# Altium PCB DIOT_8ch_isoSPI.PcbDoc (part 2 of 5) (continued)
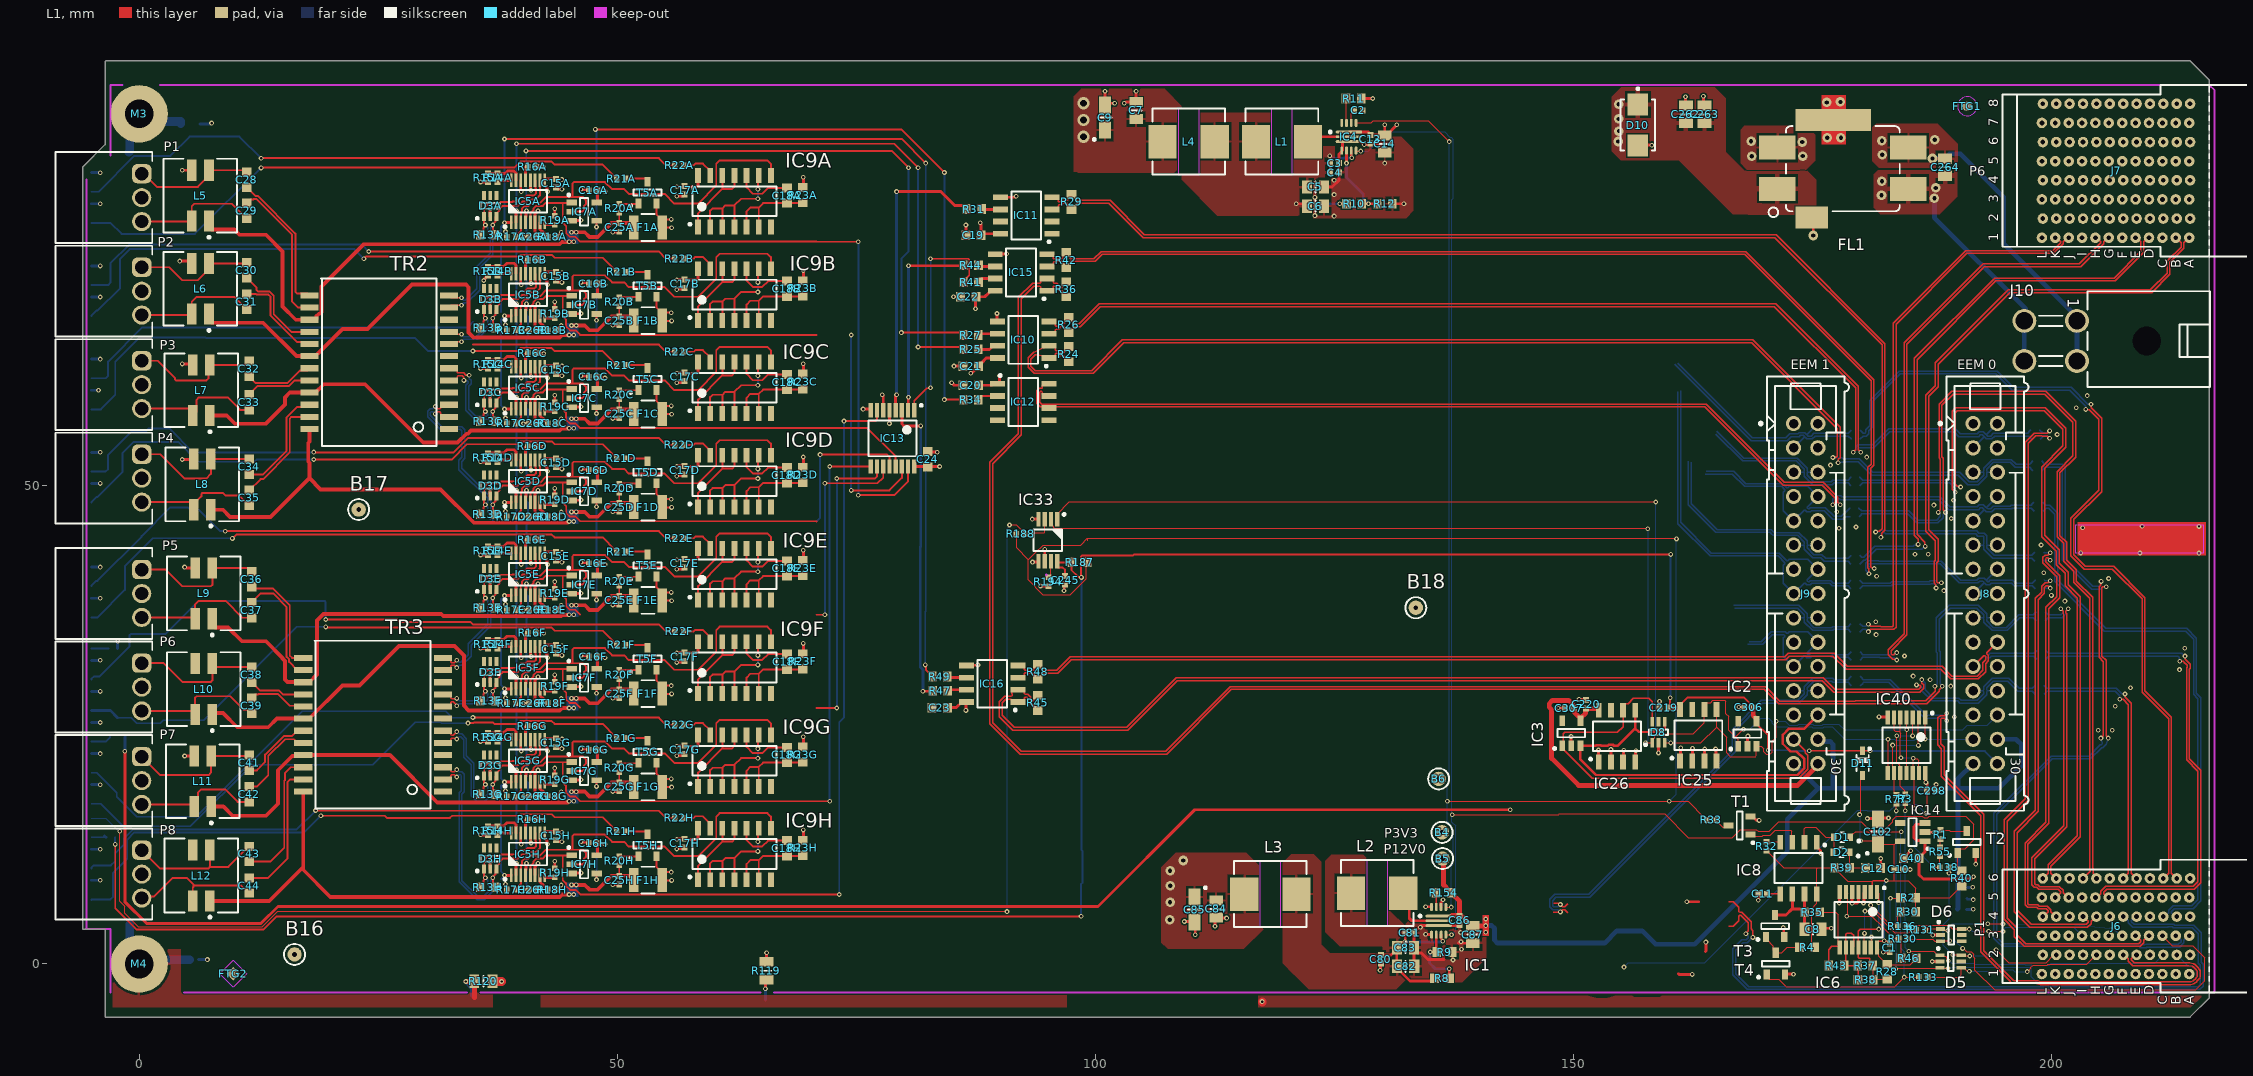
[diagram p0: L1 view]
## Via types (continued)

## Nets (pads, with @x,y where several pads share a name; then routed paths per layer and width w, separated by ;. In a path a pad name is that pad's centre, name@x,y a point inside that pad or via, vN(x,y) a via of type N, cw(c..) or ccw(c..) an arc to the next point about the centre after c; other vN are vias at no path point)
3V3: C80.2 C81.2 C82.2 C83.2 IC1.6 L2.2 L3.1 R8.2 | length 16
  L1 w0.3: C80.2@129.845,0.933 130.916,0.933 C83.2@131.51,1.527 ; C81.2@132.417,3.277 132.388,3.248 132.388,2.34 v1(132.359,2.311) 132.321,2.273 132.082,2.273 132.06,2.252 131.885,2.252 131.51,1.877 C83.2@131.51,1.702 ; R8.2@135.45,-1.5 135.172,-1.778 132.885,-1.778 131.536,-0.429 C82.2@131.536,-0.254 131.51,-0.229 C83.2@131.51,1.527 ; IC1.6@136.14,3.063 136.14,2.672 136.37,2.441 v1(136.306,2.377) ; C83.2@131.51,1.527 C83.2@131.51,1.702 ; C83.2@131.51,1.527 C83.2@131.51,1.702 ; C83.2@131.51,1.527 C83.2@131.51,1.702
  L4 w0.3: v1(132.359,2.311) 132.37,2.301 136.306,2.301 v1(136.306,2.377)
5V0: C3.2 C4.2 C5.2 C6.2 IC4.6 L1.2 L4.1 R10.2 | length 11.4
  L1 w0.3: v1(121,79.5) 121.85,79.5 C6.2@122.1,79.25 ; v1(124.5,84.5) 124.525,84.475 124.525,83.775 C3.2@124.55,83.75 C4.2@124.55,82.75 ; v1(125.55,79.5) R10.2@126.25,79.5 ; IC4.6@126.75,85.05 126.75,84.4 126.798,84.352 v1(126.798,84.298)
  L4 w0.3: v1(121,79.5) v1(125.55,79.5) ; v1(124.5,84.5) 124.554,84.5 124.804,84.25 125.948,84.25 125.996,84.298 v1(126.798,84.298)
BGA0: D6.3 J6.C3 R130.2 | length 42.5
  L1 w0.125: R130.2@184.912,2.642 184.971,2.583 187.561,2.583 187.772,2.373 D6.3@188.384,2.373 188.45,2.438 v1(189.332,2.438) ; v1(190.678,1.626) 190.755,1.626 191.11,1.27 191.225,1.27 191.232,1.278 191.596,1.278 191.854,1.02 191.854,0.703 191.973,0.584 191.973,-0.635 194.024,-2.685 208.768,-2.685 208.793,-2.71 215.044,-2.71 216.007,-1.748 216.007,0.655 214.757,1.905 212.614,1.905 J6.C3@211.569,2.95
  L4 w0.125: v1(189.332,2.438) 189.337,2.433 189.871,2.433 v1(190.678,1.626)
BGA1: D6.1 J6.F3 R131.2 | length 21.4
  L1 w0.125: R131.2@186.779,3.556 186.896,3.673 D6.1@188.384,3.673 188.521,3.535 189.101,3.535 v1(189.135,3.501) ; v1(193.318,4.2) 193.336,4.183 194.887,4.183 v1(194.905,4.166)
  L4 w0.125: v1(189.135,3.501) 189.135,3.602 189.372,3.839 189.372,3.971 189.592,4.191 193.309,4.191 v1(193.318,4.2) ; v1(194.905,4.166) 202.386,4.089 202.391,4.089 206.041,3.759 cw(c205.969,2.95) 206.441,3.612 J6.F3@207.369,2.95
BGA2: D6.6 J6.I3 R136.2 | length 19.4
  L1 w0.125: R136.2@184.849,3.937 185.352,3.937 185.477,4.062 189.196,4.062 189.585,3.673 D6.6@190.584,3.673 190.607,3.65 v1(191.364,3.65) ; v1(193.396,3.429) 193.408,3.416 194.879,3.416 v1(194.905,3.391)
  L4 w0.125: v1@191.435,3.722 v1(191.364,3.65) 191.451,3.65 191.672,3.429 v1(193.396,3.429) ; v1(194.905,3.391) 195.128,3.764 195.201,3.837 202.282,3.837 J6.I3@203.169,2.95
BGA3: J6.L3
BP_I2C.SCL: D5.3 J6.B2 R77.1 | length 53.7
  L1 w0.125: v1(183.69,-0.519) 183.752,-0.457 188.272,-0.457 D5.3@188.333,-0.396 188.376,-0.439 v1(189.15,-0.439) ; v1(183.744,16.002) R77.1@183.744,16.777
  L4 w0.125: v1(183.69,-0.519) 183.718,-0.491 183.718,15.977 v1(183.744,16.002) ; v1(189.15,-0.439) 189.171,-0.418 189.588,-0.418 189.65,-0.356 191.174,-0.356 191.207,-0.322 191.571,-0.322 191.604,-0.356 197.739,-0.356 197.866,-0.483 197.866,-1.355 198.374,-1.863 214.706,-1.863 215.182,-1.387 215.182,-0.713 214.706,-0.238 214.69,-0.238 214.655,-0.203 214.222,-0.203 J6.B2@213.069,0.95
BP_I2C.SDA: D5.1 J6.C2 R3.1 | length 43.4
  L1 w0.125: v1(184.683,16.027) R3.1@184.683,16.802 ; v1(185.039,1.321) 187.641,1.321 188.058,0.904 D5.1@188.333,0.904 188.42,0.817 188.921,0.817 189.009,0.729 189.009,0.613 189.185,0.437 v1(189.185,0.335)
  L4 w0.125: v1(184.683,16.027) 184.696,16.015 184.696,1.685 185.039,1.342 v1(185.039,1.321) ; v1(189.185,0.335) 189.286,0.335 189.545,0.076 189.662,0.076 191.82,0.076 191.945,-0.049 197.173,-0.049 197.224,-0.1 197.839,-0.1 197.854,-0.115 199.761,-0.115 199.952,0.076 210.795,0.076 J6.C2@211.669,0.95
BP_IO.LVDS_N0: J6.E3 R161.1 | length 70.9
  L1 w0.14: v1(199.771,54.966) 199.746,54.966 199.509,55.203 199.018,55.203 198.999,55.222 198.318,55.222 197.531,54.435 197.531,17.14 195.326,14.935 195.326,4.801 196.401,3.726 196.401,2.992 197.263,2.13 209.109,2.13 209.319,2.34 209.319,2.456 208.825,2.95 J6.E3@208.769,2.95
  L4 w0.14: R161.1@198.819,54.889 199.039,55.109 199.039,55.153 199.121,55.235 199.477,55.235 199.746,54.966 v1(199.771,54.966)
BP_IO.LVDS_N1: J6.B3 R162.1 | length 83.1
  L1 w0.14: v1(205.704,39.457) 205.686,39.44 205.351,39.44 205.244,39.333 205.244,32.189 205.68,31.753 205.68,23.884 205.918,23.647 v1(205.918,23.622)
  L4 w0.14: 194.586,2.493 194.259,2.819 194.259,15.646 194.586,15.973 ; 194.586,2.492 194.588,2.491 194.949,2.13 209.273,2.13 209.396,2.007 209.742,2.007 209.805,2.07 213.249,2.07 213.519,2.34 213.519,2.456 213.025,2.95 J6.B3@212.969,2.95 ; 194.586,15.974 200.05,21.438 204.031,21.438 205.216,22.622 205.344,22.622 205.605,22.883 205.687,22.965 v1(205.918,23.622) ; R162.1@198.946,51.587 199.166,51.807 199.166,51.863 199.248,51.945 201.015,51.945 201.097,51.863 201.097,42.268 204.187,39.178 205.089,39.178 205.351,39.44 205.686,39.44 v1(205.704,39.457)
BP_IO.LVDS_N2: J6.C4 R163.1 | length 57.6
  L4 w0.14: R163.1@199.098,47.346 199.318,47.566 199.318,47.589 199.4,47.671 199.669,47.671 200.309,47.031 200.309,40.008 205.514,34.803 213.99,34.803 214.833,33.96 214.833,28.183 215.289,27.727 215.289,6.71 214.649,6.07 212.69,6.07 212.219,5.599 212.219,5.359 211.81,4.95 J6.C4@211.669,4.95
BP_IO.LVDS_N3: J6.L4 R164.1 | length 43.6
  L1 w0.14: J6.L4@199.069,4.95 199.125,4.95 199.619,5.444 199.619,5.56 199.422,5.757 198.578,5.757 198.417,5.918 197.468,5.918 197.21,6.176 197.21,12.646 199.38,14.816 199.38,37.277 200.512,38.41 200.512,40.487 199.052,41.947 199.052,42.507 199.31,42.765 199.585,42.765 199.823,43.002 v1(199.847,43.002)
  L4 w0.14: R164.1@199.149,43.053 199.2,43.002 v1(199.847,43.002)
BP_IO.LVDS_N4: J6.I4 R167.1 | length 45.4
  L1 w0.14: v1(199.838,39.306) 199.813,39.306 199.576,39.544 199.425,39.544 199.238,39.357 199.238,38.74 198.598,38.1 198.598,15.972 196.367,13.741 196.367,5.611 197.848,4.13 203.609,4.13 203.819,4.34 203.819,4.456 203.325,4.95 J6.I4@203.269,4.95
  L4 w0.14: R167.1@199.2,39.218 199.288,39.306 v1(199.838,39.306)
BP_IO.LVDS_N5: J6.K5 R168.1 | length 37.2
  L1 w0.14: J6.K5@200.369,6.95 200.425,6.95 200.919,7.444 200.919,7.56 200.68,7.799 198.637,7.799 198.434,8.001 198.179,8.001 197.922,8.259 197.922,11.122 201.27,14.47 201.27,36.505 201.177,36.598 201.177,36.873 200.939,37.11 v1(200.939,37.135)
  L4 w0.14: R168.1@199.327,36.83 199.327,36.81 199.626,36.51 200.965,36.51 201.177,36.722 201.177,36.873 200.939,37.11 v1(200.939,37.135)
BP_IO.LVDS_N6: J6.H5 R169.1 | length 50.2
  L1 w0.14: J6.H5@204.569,6.95 204.71,6.95 205.119,7.359 205.119,7.599 205.643,8.123 214.802,8.123 215.289,8.61 215.289,20.154 214.097,21.346 214.097,30.968 214.162,31.034 214.162,31.216 213.942,31.436 213.933,31.436 213.739,31.631 213.403,31.631 v1(213.385,31.648)
  L4 w0.14: R169.1@199.377,31.852 199.377,31.872 199.677,32.172 212.616,32.172 212.634,32.19 213.177,32.19 213.317,32.05 213.317,31.717 v1(213.385,31.648)
BP_IO.LVDS_N7: J6.F6 R170.1 | length 28.1
  L1 w0.14: v1(207.114,27.688) 207.131,27.671 207.467,27.671 208.019,27.119 208.019,18.508 208.019,9.5 J6.F6@207.469,8.95
  L4 w0.14: R170.1@199.2,28.194 199.2,28.214 199.499,28.514 206.624,28.514 207.096,28.041 207.096,27.705 v1(207.114,27.688)
BP_IO.LVDS_N8: J6.C6 R171.1 | length 87
  L1 w0.14: v1(203.556,57.988) 203.573,57.971 203.909,57.971 204.927,56.952 204.927,49.53 202.011,46.614 202.011,42.667 203.398,41.28 206.345,41.28 209.448,38.176 209.448,28.43 212.219,25.66 212.219,9.5 J6.C6@211.669,8.95
  L4 w0.14: R171.1@179.972,54.889 179.972,54.909 180.272,55.209 180.596,55.209 180.854,55.467 180.854,55.736 181.254,56.137 181.254,58.776 184.175,61.697 194.165,61.697 195.873,59.988 201.891,59.988 203.538,58.341 203.538,58.006 v1(203.556,57.988)
BP_IO.LVDS_N9: J6.L6 R172.1 | length 82.3
  L1 w0.14: v1(190.464,49.875) 190.395,49.944 190.115,49.944 189.889,50.17 189.889,57.656 190.094,57.861 199.22,57.861 201.172,55.909 201.172,54.174 198.963,51.966 198.963,44.699 200.487,43.175 200.487,41.76 201.4,40.847 201.4,39.544 202.692,38.252 202.692,13.429 199.619,10.356 199.619,9.5 J6.L6@199.069,8.95
  L4 w0.14: R172.1@179.946,50.927 179.946,50.907 180.246,50.607 189.452,50.607 189.9,50.159 189.9,50.103 190.111,49.892 190.446,49.892 v1(190.464,49.875)
BP_IO.LVDS_N10: J6.I6 R173.1 | length 87.1
  L1 w0.14: v1(188.9,47.219) 188.9,47.243 188.662,47.481 188.662,52.891 188.512,53.041 188.512,58.414 189.687,59.588 199.245,59.588 202.209,56.624 202.209,53.129 200.558,51.478 200.558,44.679 201.249,43.988 201.249,42.116 202.286,41.079 202.286,39.903 203.967,38.222 203.967,9.907 204.038,9.835 204.038,9.719 J6.I6@203.269,8.95
  L4 w0.14: R173.1@179.845,46.761 180.065,46.981 180.065,47.002 180.147,47.084 182.407,47.084 182.41,47.081 184.923,47.081 185.882,46.123 188.104,46.123 188.662,46.681 188.662,46.957 188.9,47.194 v1(188.9,47.219)
BP_IO.LVDS_N11: J7.E1 R174.1 | length 56.4
  L1 w0.14: v1(186.022,43.878) 186.029,43.885 186.029,44.408 185.628,44.809 185.628,63.319 194.038,71.73 206.525,71.73 209.319,74.524 209.319,75.263 209.319,75.503 208.872,75.95 J7.E1@208.769,75.95
  L4 w0.14: R174.1@179.934,42.723 180.136,42.521 180.352,42.521 181.503,43.672 185.492,43.672 185.628,43.809 185.953,43.809 v1(186.022,43.878)
BP_IO.LVDS_N12: J7.B1 R175.1 | length 65.8
  L1 w0.14: v1(187.909,39.319) 187.892,39.337 187.892,39.672 187.697,39.867 187.697,42.101 187.836,42.24 187.836,44.277 186.847,45.266 186.847,59.484 187.836,60.473 187.836,62.86 195.461,70.485 210.312,70.485 212.065,72.238 212.065,73.517 213.519,74.971 213.519,75.4 J7.B1@212.969,75.95
  L4 w0.14: R175.1@179.946,39.218 179.946,39.238 180.234,39.525 183.222,39.525 183.389,39.692 187.311,39.692 187.399,39.779 187.785,39.779 187.892,39.672 187.892,39.337 v1(187.909,39.319)
BP_IO.LVDS_N13: J7.K1 R176.1 | length 57.3
  L1 w0.14: v1(180.823,35.535) 180.847,35.535 181.085,35.297 182.106,35.297 182.125,35.278 183.336,35.278 183.418,35.36 183.418,67.002 191.011,74.595 200.089,74.595 200.919,75.425 200.919,75.541 200.51,75.95 J7.K1@200.369,75.95
  L4 w0.14: R176.1@179.946,35.585 179.946,35.565 180.215,35.297 180.561,35.297 180.798,35.535 v1(180.823,35.535)
BP_IO.LVDS_N14: J7.H1 R177.1 | length 64.2
  L1 w0.14: v1(183.794,31.788) 183.726,31.857 183.36,31.857 182.902,32.315 182.902,32.868 184.561,34.528 184.561,64.945 192.814,73.198 202.892,73.198 205.119,75.425 205.119,75.541 204.71,75.95 J7.H1@204.569,75.95
  L4 w0.14: R177.1@179.972,31.75 179.972,31.77 180.259,32.057 182.003,32.057 182.035,32.025 183.532,32.025 183.77,31.788 v1(183.794,31.788)
BP_IO.LVDS_N15: J6.F2 R144.2 | length 70.7
  L1 w0.14: v1(189.027,25.438) 189.002,25.438 188.765,25.675 188.456,25.675 188.383,25.602 188.383,23.023 188.766,22.64 188.766,19.761 192.882,15.645 192.882,8.751 192.872,8.742 192.872,4.386 192.871,4.385 192.871,4.015 192.872,4.014 192.872,1.387 195.862,-1.603 ; 195.863,-1.604 195.95,-1.691 ccw(c196.049,-1.592) 196.049,-1.732 198.396,-1.732 cw(c198.396,-2.172) 198.595,-1.78 ; 198.596,-1.78 ccw(c198.969,-1.05) 198.969,-1.87 214.369,-1.87 ccw(c214.369,-1.05) 214.998,-1.576 215.112,-1.44 215.182,-1.357 ccw(c215.074,-1.267) 215.214,-1.267 215.214,-0.787 ccw(c215.074,-0.787) 215.173,-0.688 215.086,-0.601 ; J6.F2@207.469,0.95 207.61,0.95 208.019,0.541 208.019,0.301 208.493,-0.173 214.33,-0.173 214.718,-0.262 cw(c214.686,-0.399) 214.784,-0.299 215.085,-0.6
  L4 w0.14: R144.2@179.997,29.108 180.217,29.328 180.217,29.362 180.299,29.444 182.977,29.444 186.736,25.684 188.481,25.684 188.49,25.675 188.765,25.675 189.002,25.438 v1(189.027,25.438)
BP_IO.LVDS_P0: J6.D3 R145.1 | length 72.4
  L1 w0.14: v1(199.771,55.741) 199.746,55.741 199.509,55.503 199.142,55.503 199.123,55.522 198.194,55.522 197.231,54.559 197.231,17.264 195.026,15.059 195.026,4.676 196.101,3.602 196.101,2.868 197.139,1.83 209.233,1.83 209.619,2.216 209.619,2.456 210.113,2.95 J6.D3@210.169,2.95
  L4 w0.14: R145.1@198.755,55.855 198.755,55.835 199.055,55.535 199.509,55.535 199.714,55.741 v1(199.771,55.741)
BP_IO.LVDS_P1: J6.A3 R146.1 | length 84
  L1 w0.14: v1(205.143,23.622) 205.143,23.647 205.38,23.884 205.38,31.629 204.944,32.065 204.944,39.457 205.138,39.652 205.138,39.988 v1(205.156,40.005)
  L4 w0.14: 194.374,2.281 193.959,2.695 193.959,15.771 194.374,16.185 ; 194.374,2.28 194.824,1.83 209.149,1.83 209.272,1.707 209.866,1.707 209.929,1.77 213.373,1.77 213.819,2.216 213.819,2.456 214.313,2.95 J6.A3@214.369,2.95 ; 194.374,16.186 199.926,21.738 203.906,21.738 205.091,22.922 205.207,22.922 205.289,23.004 205.289,23.12 v1(205.143,23.622) ; R146.1@198.946,52.603 199.166,52.383 199.166,52.327 199.248,52.245 201.139,52.245 201.397,51.988 201.397,42.393 204.311,39.478 204.965,39.478 205.138,39.652 205.138,39.988 v1(205.156,40.005)
BP_IO.LVDS_P2: J6.B4 R147.1 | length 58.1
  L4 w0.14: R147.1@199.073,48.285 199.073,48.265 199.367,47.971 199.794,47.971 200.609,47.155 200.609,40.132 205.638,35.103 214.114,35.103 215.133,34.084 215.133,28.307 215.589,27.851 215.589,6.586 214.773,5.77 212.814,5.77 212.519,5.475 212.519,5.359 212.928,4.95 J6.B4@213.069,4.95
BP_IO.LVDS_P3: J6.K4 R148.1 | length 43.1
  L1 w0.14: v1(199.847,42.227) 199.823,42.227 199.585,42.465 199.434,42.465 199.352,42.383 199.352,42.072 200.812,40.611 200.812,38.285 199.68,37.153 199.68,14.691 197.51,12.522 197.51,6.3 197.592,6.218 198.541,6.218 198.702,6.057 199.546,6.057 199.919,5.684 199.919,5.444 200.413,4.95 J6.K4@200.469,4.95
  L4 w0.14: R148.1@199.149,42.113 199.263,42.227 v1(199.847,42.227)
BP_IO.LVDS_P4: J6.H4 R149.1 | length 46.9
  L1 w0.14: v1(199.847,40.081) 199.823,40.081 199.585,39.844 199.3,39.844 198.938,39.482 198.938,38.865 198.298,38.224 198.298,16.096 196.067,13.866 196.067,5.486 197.724,3.83 203.733,3.83 204.119,4.216 204.119,4.456 204.613,4.95 J6.H4@204.669,4.95
  L4 w0.14: R149.1@199.2,40.157 199.276,40.081 v1(199.847,40.081)
BP_IO.LVDS_P5: J6.J5 R150.1 | length 37.6
  L1 w0.14: v1(201.714,37.135) 201.714,37.11 201.477,36.873 201.477,36.722 201.57,36.629 201.57,14.346 198.222,10.998 198.222,8.383 198.304,8.301 198.558,8.301 198.761,8.099 200.804,8.099 201.219,7.684 201.219,7.444 201.713,6.95 J6.J5@201.769,6.95
  L4 w0.14: R150.1@199.327,35.89 199.327,35.91 199.626,36.21 201.089,36.21 201.477,36.598 201.477,36.873 201.714,37.11 v1(201.714,37.135)
BP_IO.LVDS_P6: J6.G5 R151.1 | length 50.7
  L1 w0.14: J6.G5@205.969,6.95 205.828,6.95 205.419,7.359 205.419,7.475 205.767,7.823 214.926,7.823 215.589,8.486 215.589,20.278 214.397,21.47 214.397,30.844 214.462,30.91 214.462,31.34 214.066,31.736 214.058,31.736 213.951,31.843 213.951,32.179 v1(213.933,32.196)
  L4 w0.14: R151.1@199.377,32.791 199.377,32.771 199.677,32.471 212.491,32.471 212.51,32.49 213.576,32.49 213.87,32.196 v1(213.933,32.196)
BP_IO.LVDS_P7: J6.E6 R152.1 | length 28.6
  L1 w0.14: v1(207.662,28.236) 207.679,28.219 207.679,27.883 208.319,27.243 208.319,18.384 208.319,9.5 J6.E6@208.869,8.95
  L4 w0.14: R152.1@199.2,29.134 199.2,29.114 199.499,28.814 206.748,28.814 207.308,28.253 207.644,28.253 v1(207.662,28.236)
BP_IO.LVDS_P8: J6.B6 R5.1 | length 87.5
  L1 w0.14: v1(204.104,58.536) 204.121,58.519 204.121,58.183 205.227,57.077 205.227,49.406 202.311,46.49 202.311,42.791 203.523,41.58 206.469,41.58 209.748,38.3 209.748,28.554 212.519,25.784 212.519,9.5 J6.B6@213.069,8.95
  L4 w0.14: R5.1@179.972,55.829 179.972,55.809 180.272,55.509 180.472,55.509 180.554,55.591 180.554,55.86 180.954,56.261 180.954,58.9 184.051,61.997 194.289,61.997 195.998,60.288 202.015,60.288 203.75,58.554 204.086,58.554 v1(204.104,58.536)
BP_IO.LVDS_P9: J6.K6 R6.1 | length 83.3
  L1 w0.14: v1(189.916,49.327) 189.589,49.654 189.589,57.78 189.969,58.161 199.344,58.161 201.472,56.033 201.472,54.05 199.263,51.841 199.263,44.823 200.787,43.299 200.787,41.885 201.7,40.971 201.7,39.668 202.992,38.377 202.992,13.305 199.919,10.232 199.919,9.5 J6.K6@200.469,8.95
  L4 w0.14: R6.1@179.946,49.987 179.946,50.007 180.246,50.307 189.328,50.307 189.6,50.035 189.6,49.979 189.898,49.68 189.898,49.344 v1(189.916,49.327)
BP_IO.LVDS_P10: J6.H6 R7.1 | length 87.4
  L1 w0.14: v1(188.125,47.219) 188.125,47.243 188.362,47.481 188.362,52.767 188.212,52.917 188.212,58.538 189.563,59.888 199.369,59.888 202.509,56.748 202.509,53.005 200.858,51.354 200.858,44.803 201.549,44.112 201.549,42.24 202.586,41.204 202.586,40.028 204.267,38.346 204.267,10.031 204.338,9.96 204.338,9.512 204.669,9.181 J6.H6@204.669,8.95
  L4 w0.14: R7.1@179.832,47.701 179.832,47.681 180.129,47.384 182.531,47.384 182.534,47.381 185.047,47.381 186.006,46.423 187.979,46.423 188.362,46.806 188.362,46.957 188.125,47.194 v1(188.125,47.219)
BP_IO.LVDS_P11: J7.D1 R156.1 | length 57.7
  L1 w0.14: v1(186.766,43.663) 186.738,43.691 186.738,44.123 185.928,44.933 185.928,63.195 194.162,71.43 206.649,71.43 209.619,74.399 209.619,75.387 209.619,75.503 210.066,75.95 J7.D1@210.169,75.95
  L4 w0.14: R156.1@179.934,41.783 179.934,41.803 180.352,42.221 180.476,42.221 181.627,43.372 186.406,43.372 186.697,43.663 v1(186.766,43.663)
BP_IO.LVDS_P12: J7.A1 R157.1 | length 65.8
  L1 w0.14: v1(188.457,39.867) 188.44,39.885 188.104,39.885 187.997,39.991 187.997,41.977 188.136,42.116 188.136,44.401 187.147,45.39 187.147,59.36 188.136,60.348 188.136,62.736 195.585,70.185 210.436,70.185 212.365,72.113 212.365,73.392 213.819,74.847 213.819,75.4 J7.A1@214.369,75.95
  L4 w0.14: R157.1@179.946,40.132 179.946,40.112 180.234,39.825 183.098,39.825 183.265,39.992 187.187,39.992 187.274,40.079 187.909,40.079 188.104,39.885 188.44,39.885 v1(188.457,39.867)
BP_IO.LVDS_P13: J7.J1 R158.1 | length 57.8
  L1 w0.14: v1(180.823,34.76) 180.847,34.76 181.085,34.997 181.982,34.997 182.001,34.978 183.46,34.978 183.718,35.236 183.718,66.878 191.135,74.295 200.213,74.295 201.219,75.301 201.219,75.541 201.628,75.95 J7.J1@201.769,75.95
  L4 w0.14: R158.1@179.946,34.671 179.946,34.691 180.252,34.997 180.561,34.997 180.798,34.76 v1(180.823,34.76)
BP_IO.LVDS_P14: J7.G1 R159.1 | length 63.7
  L1 w0.14: v1(183.794,32.563) 183.697,32.563 183.491,32.357 183.284,32.357 183.202,32.439 183.202,32.744 184.861,34.404 184.861,64.821 192.938,72.898 203.016,72.898 205.419,75.301 205.419,75.541 205.828,75.95 J7.G1@205.969,75.95
  L4 w0.14: R159.1@179.972,32.664 179.972,32.644 180.259,32.357 182.127,32.357 182.159,32.325 183.532,32.325 183.77,32.563 v1(183.794,32.563)
BP_IO.LVDS_P15: J6.E2 R143.2 | length 72.1
  L1 w0.14: v1(189.027,26.213) 189.002,26.213 188.765,25.975 188.332,25.975 188.083,25.726 188.083,22.898 188.466,22.516 188.466,19.637 192.582,15.521 192.582,8.876 192.572,8.866 192.572,4.51 192.571,4.51 192.571,3.891 192.572,3.89 192.572,1.263 195.65,-1.815 ; 195.651,-1.816 195.738,-1.903 ccw(c196.049,-1.592) 196.049,-2.032 198.396,-2.032 cw(c198.396,-2.172) 198.459,-2.047 ccw(c198.969,-1.05) 198.969,-2.17 214.369,-2.17 ccw(c214.369,-1.05) 215.228,-1.769 215.342,-1.633 ccw(c215.112,-1.44) 215.343,-1.632 215.412,-1.549 ccw(c215.074,-1.267) 215.514,-1.267 215.514,-0.787 ccw(c215.074,-0.787) 215.385,-0.476 215.298,-0.389 ; J6.E2@208.869,0.95 208.728,0.95 208.319,0.541 208.319,0.425 208.617,0.127 214.364,0.127 214.413,0.116 214.785,0.03 cw(c214.686,-0.399) 214.99,-0.081 cw(c214.784,-0.299) 214.996,-0.087 215.297,-0.388
  L4 w0.14: R143.2@179.985,30.074 180.205,29.854 180.205,29.826 180.287,29.744 183.101,29.744 186.86,25.984 188.605,25.984 188.614,25.975 188.765,25.975 189.002,26.213 v1(189.027,26.213)
BP_MGT_Rx_N: J6.E5
BP_MGT_Rx_P: J6.D5
BP_MGT_Tx_N: J6.B5
BP_MGT_Tx_P: J6.A5
CSn0: IC5A.5 IC7A.1 IC13.15 | length 73.9
  L1 w0.2: IC5A.5@40.906,77.547 40.906,78.493 41.218,78.805 41.218,78.958 41.529,79.27 42.215,79.27 42.538,79.593 44.294,79.593 ; IC7A.1@45.232,79.618 45.207,79.593 44.294,79.593 ; v1(75.204,49.02) 78.954,49.02 80.404,50.47 IC13.15@80.404,52.02 ; v1(75.204,75.52) 70.839,75.52 70.816,75.543 46.106,75.543 45.606,76.043 45.402,76.043 45.006,76.043 44.656,76.393 44.656,77.123 44.294,77.485 44.294,79.593
  L4 w0.2: v1(75.204,49.02) v1(75.204,75.52)
CSn1: IC5B.5 IC7B.1 IC13.14 | length 59
  L1 w0.2: IC5B.5@40.906,67.797 40.906,68.743 41.218,69.055 41.218,69.208 41.529,69.52 42.215,69.52 42.538,69.843 44.294,69.843 ; IC7B.1@45.232,69.868 45.207,69.843 44.294,69.843 ; 70.816,65.793 46.106,65.793 45.652,66.247 45.052,66.247 44.618,66.681 44.618,67.411 44.294,67.735 44.294,69.843 ; v1(74.454,49.52) 78.454,49.52 79.754,50.82 IC13.14@79.754,52.02
  L4 w0.2: v1(74.454,49.52) v1(74.454,65.77)
CSn2: IC5C.5 IC7C.1 IC13.13 | length 46.3
  L1 w0.2: IC5C.5@40.906,58.047 40.906,58.993 41.218,59.305 41.218,59.458 41.529,59.77 42.215,59.77 42.538,60.093 44.294,60.093 ; IC7C.1@45.232,60.118 45.207,60.093 44.294,60.093 ; IC13.13@79.104,52.02 79.104,53.07 76.131,56.043 46.106,56.043 45.652,56.497 45.052,56.497 44.618,56.931 44.618,57.661 44.294,57.985 44.294,60.093
CSn3: IC5D.5 IC7D.1 IC13.12 | length 51.2
  L1 w0.2: IC5D.5@40.906,48.297 40.906,49.243 41.218,49.555 41.218,49.708 41.529,50.02 42.215,50.02 42.538,50.343 44.294,50.343 ; IC7D.1@45.232,50.368 45.207,50.343 44.294,50.343 ; 70.839,46.27 70.816,46.293 46.106,46.293 45.606,46.793 45.402,46.793 45.006,46.793 44.656,47.143 44.656,47.873 44.294,48.235 44.294,50.343 ; v1(71.204,53.27) 78.204,53.27 78.454,53.02 IC13.12@78.454,52.02
  L4 w0.2: 70.839,46.318 71.204,46.682 v1(71.204,53.27)
CSn4: IC5E.5 IC7E.1 IC13.11 | length 33.1
  L1 w0.2: IC5E.5@40.906,38.547 40.906,39.493 41.218,39.805 41.218,39.958 41.529,40.27 42.215,40.27 42.538,40.593 44.294,40.593 ; IC7E.1@45.232,40.618 45.207,40.593 44.294,40.593 ; 46.106,36.543 45.606,37.043 45.402,37.043 45.006,37.043 44.656,37.393 44.656,38.123 44.294,38.485 44.294,40.593 ; 70.839,36.52 v1(71.704,36.52) ; v1(71.704,50.27) 77.204,50.27 77.804,50.87 IC13.11@77.804,52.02
  L4 w0.2: v1(71.704,36.52) v1(71.704,50.27)
CSn5: IC5F.5 IC7F.1 IC13.10 | length 42.4
  L1 w0.2: IC5F.5@40.906,28.797 40.906,29.743 41.218,30.055 41.218,30.208 41.529,30.52 42.215,30.52 42.538,30.843 44.294,30.843 ; IC7F.1@45.232,30.868 45.207,30.843 44.294,30.843 ; 46.106,26.793 45.606,27.293 45.402,27.293 45.006,27.293 44.656,27.643 44.656,28.373 44.294,28.735 44.294,30.843 ; 70.839,26.77 v1(72.954,26.77) ; v1(72.954,50.77) 76.954,50.77 77.154,50.97 IC13.10@77.154,52.02
  L4 w0.2: v1(72.954,26.77) v1(72.954,50.77)
CSn6: IC5G.5 IC7G.1 IC13.9 | length 76.4
  L1 w0.2: IC5G.5@40.906,19.047 40.906,19.993 41.218,20.305 41.218,20.458 41.529,20.77 42.215,20.77 42.538,21.093 44.294,21.093 ; IC7G.1@45.232,21.118 45.207,21.093 44.294,21.093 ; v1(72.204,17.02) 46.129,17.02 45.652,17.497 45.052,17.497 44.618,17.931 44.618,18.661 44.294,18.985 44.294,21.093 ; v1(72.204,52.02) IC13.9@76.504,52.02
  L4 w0.2: v1(72.204,17.02) v1(72.204,52.02)
CSn7: IC5H.5 IC7H.1 IC13.7 | length 92.3
  L1 w0.2: IC5H.5@40.906,9.297 40.906,10.243 41.218,10.555 41.218,10.708 41.529,11.02 42.215,11.02 42.538,11.343 44.294,11.343 ; IC7H.1@45.232,11.368 45.207,11.343 44.294,11.343 ; v1(73.204,7.27) 46.129,7.27 45.652,7.747 45.052,7.747 44.618,8.181 44.618,8.454 44.294,8.778 44.294,11.343 ; v1(73.704,56.77) 76.954,56.77 77.154,56.97 IC13.7@77.154,57.92
  L4 w0.2: v1(73.204,7.27) 73.204,25.27 73.704,25.77 v1(73.704,56.77)
DIOT_A0: IC13.1 R41.1 | length 23.4
  L1 w0.14: IC13.1@81.054,57.92 81.054,58.88 82.355,60.181 82.681,60.181 v1(82.75,60.25) ; v1(82.75,73.75) 82.755,73.755 86.698,73.755 86.813,73.64 86.813,72.005 86.166,71.358 R41.1@86.166,71.308
  L4 w0.14: v1(82.75,60.25) v1(82.75,73.75)
DIOT_A1: IC13.2 R44.1 | length 20.8
  L1 w0.3: IC13.2@80.404,57.92 80.429,57.945 80.429,59.245 v1(80.454,59.27) ; v1(80.454,73.02) 86.128,73.02 R44.1@86.166,73.058
  L4 w0.3: v1(80.454,59.27) v1(80.454,73.02)
DIOT_A2: IC13.3 R47.1 | length 32.4
  L1 w0.3: IC13.3@79.754,57.92 79.754,56.47 79.954,56.27 v1(81.727,56.27) ; v1(81.954,28.52) 82.928,28.52 R47.1@82.966,28.558
  L4 w0.3: v1(81.727,56.27) 81.727,43.659 81.677,43.609 81.677,31.052 81.954,30.775 v1(81.954,28.52)
DIOT_NSS: IC13.4 R31.1 | length 31
  L1 w0.3: IC13.4@79.104,57.92 79.104,59.366 79.204,59.466 v1(79.204,59.52) ; v1(79.204,80.77) 83.824,80.77 85.298,79.296 86.195,79.296 86.495,78.996 R31.1@86.495,78.946
  L4 w0.3: v1(79.204,59.52) 79.204,65.775 79.177,65.802 79.177,66.238 79.204,66.265 v1(79.204,80.77)
EEM0_I2C.SCL: D8.1 IC2.1 IC25.6 IC33.2 IC40.1 IC40.8 J8.27 | length 135.2
  L1 w0.125: IC33.2@95.342,46.507 95.342,45.982 95.577,45.747 95.577,45.679 95.688,45.568 157.682,45.568 v1(157.75,45.5) ; v1(157.505,23.114) 158.209,23.114 D8.1@158.227,23.132 158.227,23.407 158.487,23.667 158.487,23.791 158.775,24.079 162.509,24.079 163.678,25.248 IC25.6@163.678,26.627 163.678,27.102 163.915,27.339 164.317,27.339 164.569,27.591 165.797,27.591 165.913,27.476 165.913,26.187 166.218,25.883 166.218,24.46 166.967,23.711 ; IC2.1@167.223,22.779 167.223,23.454 166.967,23.711 ; v1(167.762,24.537) 166.967,23.742 166.967,23.711 ; IC40.8@182.86,19.985 182.88,20.005 182.88,23.495 v1(182.879,23.497) ; IC40.1@186.76,25.785 186.766,25.78 v1(186.766,23.52)
  L4 w0.125: v1(157.505,23.114) 157.505,23.174 157.785,23.453 157.785,45.465 v1(157.75,45.5) ; v1(167.762,24.537) 168.403,24.537 169.545,25.679 170.383,25.679 170.756,25.306 170.756,25.193 171.014,24.935 171.128,24.935 171.247,24.816 172.357,24.816 172.458,24.715 173.547,24.715 173.649,24.816 174.897,24.816 174.998,24.715 176.087,24.715 176.189,24.816 177.038,24.816 178.364,23.49 182.872,23.49 v1(182.879,23.497) ; v1@182.88,23.49 183.559,23.49 183.638,23.411 185.627,23.411 185.706,23.49 J8.27@191.773,23.49